# Altium PCB Coral Dev Board Micro.PcbDoc (part 5 of 6) (continued)
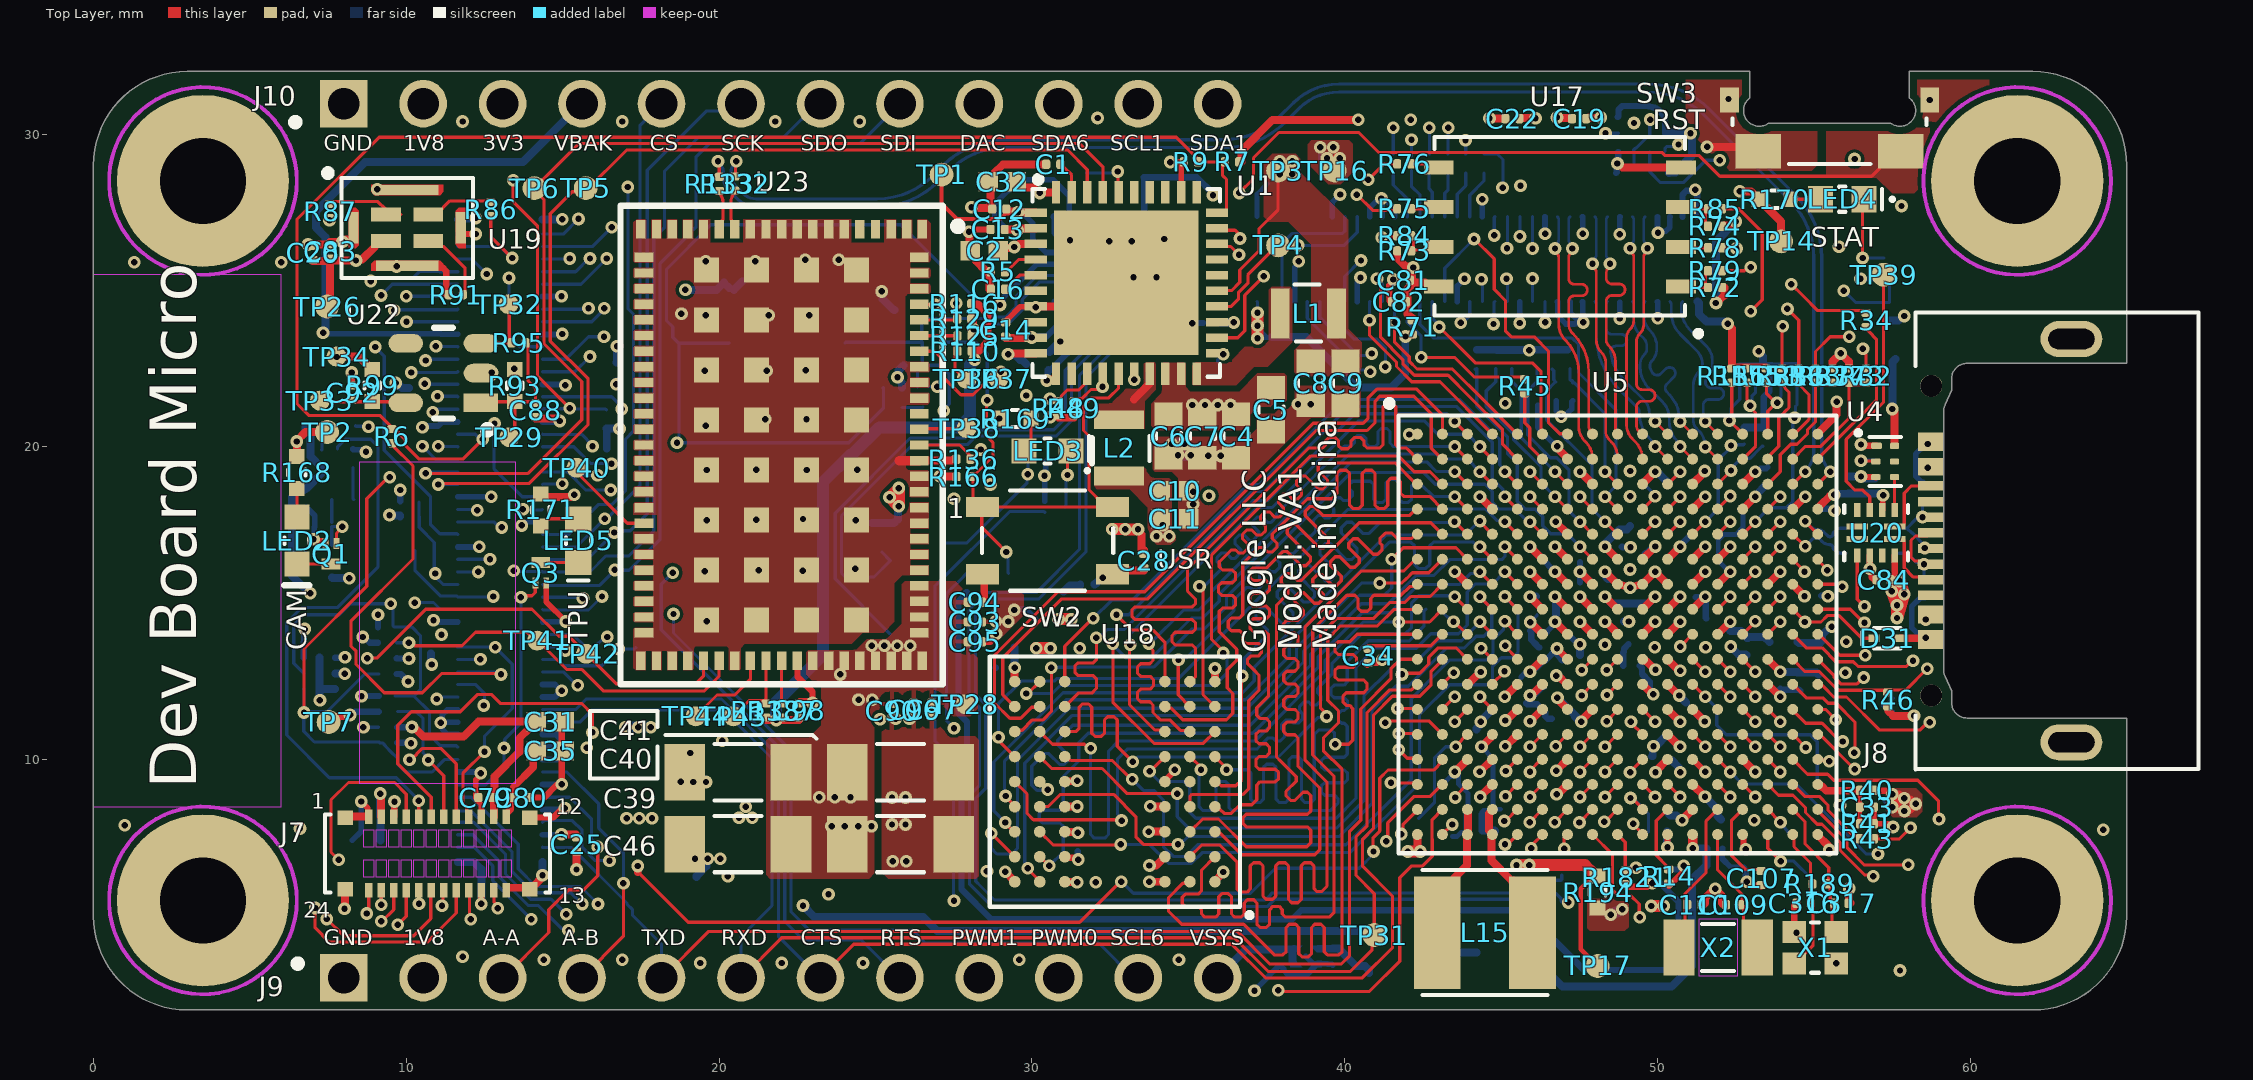
[diagram p0: Top Layer view]
## Nets (pads, with @x,y where several pads share a name; then routed paths per layer and width w, separated by ;. In a path a pad name is that pad's centre, name@x,y a point inside that pad or via, vN(x,y) a via of type N, cw(c..) or ccw(c..) an arc to the next point about the centre after c; other vN are vias at no path point) (continued)
SEMC_D15: U5.H1 U18.A2 | length 24.9
  Top Layer w0.102: U18.A2@35.052,6.097 35.004,6.048 34.827,6.048 34.366,5.588 34.366,5.156 34.785,4.737 36.767,4.737 37.744,3.759 37.821,3.759 38.024,3.759 38.125,3.861 38.125,4.635 38.227,4.737 38.43,4.737 38.532,4.635 38.532,3.797 38.633,3.696 38.837,3.696 38.938,3.797 38.938,4.635 39.04,4.737 39.243,4.737 39.345,4.635 39.345,3.861 39.446,3.759 39.814,3.759 39.903,3.848 39.916,3.861 39.916,9.69 39.319,10.287 39.319,10.693 39.802,11.176 39.802,11.557 39.459,11.9 39.459,13.868 39.865,14.275 41.048,14.275 41.569,14.795 42.309,14.795 U5.H1@42.322,14.808
SEMC_DM0: U5.F5 U18.E8 | length 21.3
  Top Layer w0.102: v1(45.122,16.808) U5.F5@45.522,16.408
  Bottom Layer w0.102: v1@30.514,9.021 30.159,9.021 29.997,9.182 29.997,9.793 30.073,9.868 30.396,10.192 30.54,10.192 30.887,9.845 31.031,9.845 31.175,9.988 31.175,10.132 30.827,10.479 30.827,10.623 31.159,10.954 31.304,11.1 36.986,11.1 38.913,13.027 38.913,13.37 40.529,14.986 41.391,14.986 42.292,15.887 42.849,15.887 43.358,16.396 45.021,16.396 45.123,16.497 v1@45.123,16.802 ; v1@45.12,16.806 v1(45.122,16.808)
  other v1: 30.505,9.042
SEMC_DM1: U5.J1 U18.F1 | length 21.8
  Top Layer w0.102: U18.F1@35.852,10.097 35.854,10.097 36.22,9.731 v1(36.22,9.677) ; v1(39.7,10.49) 40.132,10.49 40.259,10.617 40.259,11.582 40.259,11.633 40.157,11.735 40.049,11.735 39.947,11.836 39.947,12.04 40.049,12.141 40.609,12.141 40.71,12.243 40.71,12.446 40.609,12.548 39.789,12.548 39.688,12.649 39.688,12.852 39.789,12.954 40.275,12.954 40.377,13.056 40.377,13.259 40.275,13.36 39.789,13.36 39.688,13.462 39.688,13.665 39.789,13.767 40.03,13.767 40.157,13.767 40.399,14.008 U5.J1@42.322,14.008
  Bottom Layer w0.102: v1(36.22,9.677) 36.436,9.677 36.894,9.677 36.995,9.576 36.995,8.73 37.097,8.629 37.3,8.629 37.402,8.73 37.402,9.754 37.503,9.855 37.706,9.855 37.808,9.754 37.808,8.73 37.91,8.629 38.113,8.629 38.214,8.73 38.214,9.989 38.316,10.091 38.519,10.091 38.621,9.989 38.621,8.73 38.722,8.629 38.926,8.629 39.027,8.73 39.027,10.592 39.027,10.681 39.027,10.808 39.167,10.947 39.573,10.947 39.677,10.843 39.677,10.513 v1(39.7,10.49)
SEMC_DQS4: TP25.1 U5.N3 | length 3.5
  Top Layer w0.102: v1(43.548,10.414) 43.548,10.434 U5.N3@43.922,10.808
  Bottom Layer w0.102: TP25.1@42.367,8.128 42.875,8.636 42.875,10.058 43.231,10.414 v1(43.548,10.414)
SEMC_RAS: U5.J4 U18.F8 | length 20.7
  Top Layer w0.102: U18.F8@30.252,10.097 30.633,9.716 32.245,9.716 33.045,8.915 v1(34.646,8.915) ; v1(44.322,14.408) U5.J4@44.722,14.008
  Bottom Layer w0.102: v1(34.646,8.915) 34.646,8.179 35.014,7.81 39.738,7.81 40.615,8.687 40.615,12.04 41.453,12.878 41.453,12.883 41.676,13.106 41.681,13.106 41.796,13.221 42.38,13.221 42.958,13.798 43.732,13.798 44.322,14.388 v1(44.322,14.408)
SEMC_WE: U5.E5 U18.F9 | length 21.4
  Top Layer w0.102: v1(28.931,10.719) 28.931,10.618 U18.F9@29.452,10.097 ; v1(45.122,17.608) U5.E5@45.522,17.208
  Bottom Layer w0.102: v1(28.931,10.719) 28.931,11.786 29.654,12.509 30.717,12.509 30.806,12.598 34.696,12.598 40.094,17.996 42.281,17.996 42.293,18.009 44.501,18.009 44.862,17.648 45.082,17.648 v1(45.122,17.608)
SPI6_SCK__JTAG_nTRST: J5.48 J10.6 TP18.1 U5.R5 | length 52.2
  Top Layer w0.102: v1(45.14,8.826) U5.R5@45.522,9.208
  L3 w0.102: v1(16.65,17.259) 16.708,17.201 24.041,17.201 25.062,16.18 28.143,16.18 28.55,15.773 31.064,15.773 31.394,15.443 33.02,15.443 33.909,14.554 36.647,14.554 38.278,12.924 38.278,11.983 39.04,11.221 39.263,10.998 40.251,10.998 42.816,8.433 44.683,8.433 45.077,8.826 v1(45.14,8.826)
  Bottom Layer w0.102: J5.48@14.355,16.4 15.79,16.4 16.708,17.318 17.165,17.318 17.704,17.856 17.704,28.842 19.603,30.741 20.441,30.741 J10.6@20.7,31
SPI6_SDI__JTAG_TDI: J5.44 J10.8 TP20.1 U5.U5 | length 59.4
  Top Layer w0.102: v1(45.123,7.29) 45.212,7.29 45.522,7.6 U5.U5@45.522,7.608
  L6 w0.102: v1(16.662,16.066) 17.31,15.418 28.756,15.418 29.568,16.231 32.346,16.231 32.613,15.964 36.233,15.964 40.284,11.913 40.284,9.068 41.148,8.204 42.065,8.204 43.17,7.099 44.911,7.099 45.102,7.29 v1(45.123,7.29)
  Bottom Layer w0.102: J5.44@14.355,15.6 14.385,15.57 16.18,15.57 16.662,16.053 v1(16.662,16.066) 16.675,16.053 17.12,16.053 18.114,17.047 18.114,25.864 18.961,26.711 18.961,26.721 ; 19,26.75 19,26.772 19.266,27.038 19.266,29.273 19.685,29.693 24.503,29.693 J10.8@25.78,30.97
SPI6_SDO__JTAG_TDO: J5.46 J10.7 TP19.1 U5.T5 | length 59.8
  Top Layer w0.102: v1(45.098,8.039) 45.153,8.039 U5.T5@45.522,8.408
  L3 w0.102: v1(13.434,16.038) 14.072,16.675 20.053,16.675 21.057,15.672 27.737,15.672 28.067,15.342 30.912,15.342 31.242,15.011 32.877,15.011 33.741,14.148 36.271,14.148 37.694,12.725 37.694,11.671 40.944,8.42 41.974,8.42 43.053,7.341 44.361,7.341 45.06,8.039 v1(45.098,8.039)
  Bottom Layer w0.102: v1(13.434,16.038) 13.453,16.019 14.336,16.019 J5.46@14.355,16 15.873,16 16.383,16.51 17.112,16.51 17.911,17.309 17.911,26.661 18.25,27 18.25,28.25 18.25,28.804 19.342,29.896 22.06,29.896 J10.7@23.165,31.001
TPU_BOOT_FAIL: U5.K5 U23.85 | length 36.2
  Top Layer w0.102: U23.85@26.4,24.558 26.411,24.547 26.9,24.547 v1(26.911,24.536) ; v1(45.136,13.64) 45.136,13.617 45.522,13.231 U5.K5@45.522,13.208
  L6 w0.102: v1(26.911,24.536) 28.258,25.883 33.967,25.883 35.357,27.272 35.357,28.113 35.718,28.473 36.774,28.473 38.4,26.848 40.526,26.848 41.322,26.051 41.355,26.051 41.91,25.496 41.91,25.07 41.631,24.79 40.538,24.79 40.31,24.562 40.31,24.003 40.772,23.541 41.128,23.541 42.418,22.25 42.418,17.828 42.113,17.523 42.113,14.808 42.926,13.995 44.78,13.995 v1(45.136,13.64)
TPU_INTR: TP38.1 U23.77 | length 1.5
  Top Layer w0.102: U23.77@26.4,20.558 26.42,20.579 27.894,20.579 TP38.1@27.915,20.599
TPU_POW_EN: R39.2 U5.L2 U21.3 | length 21.4
  Top Layer w0.102: U5.L2@43.122,12.408 43.122,12.411 43.485,12.773 v1(43.485,12.776)
  L3 w0.102: v1(29.87,19.126) 30.404,19.66 33.652,19.66 33.957,19.355 35.966,19.355 41.3,14.021 42.24,14.021 v1(43.485,12.776)
  Bottom Layer w0.102: U21.3@27.199,16.928 27.926,16.928 29.848,18.849 29.848,19.103 v1(29.87,19.126) 29.875,19.131 29.875,19.553 R39.2@29.88,19.558
TPU_RST_L: R136.2 U5.M4 U23.76 | length 22.4
  Top Layer w0.102: U23.76@26.4,20.058 27.688,20.058 R136.2@28.113,19.634 ; R136.2@28.113,19.609 R136.2@28.113,19.634 ; v1(28.362,19.914) 28.362,19.883 R136.2@28.113,19.634 ; v1(44.323,12.014) 44.323,12.011 44.722,11.612 U5.M4@44.722,11.608
  L3 w0.102: v1(28.362,19.914) 29.556,18.72 31.592,18.72 31.999,19.126 35.814,19.126 41.123,13.818 41.941,13.818 43.338,12.421 43.917,12.421 v1(44.323,12.014)
USB2_TPU_N: R133.1 U5.C16 | length 47.5
  Top Layer w0.102: v1(19.965,29.134) 20.007,29.092 R133.1@20.007,28.708 ; U5.C16@54.322,18.808 v1(54.722,19.208)
  Bottom Layer w0.102: v1(19.965,29.134) ccw(c20.079,29.134) 19.998,29.054 20.048,29.004 cw(c19.849,28.805) 20.131,28.805 20.131,28.651 ccw(c20.785,28.651) 20.322,28.188 20.599,27.911 ccw(c21.174,28.486) 21.174,27.673 25.044,27.673 ccw(c25.044,30.465) 25.878,27.801 ccw(c25.044,30.465) 27.018,28.491 27.348,28.822 cw(c29.145,27.026) 29.145,29.566 36.131,29.566 ccw(c36.131,32.357) 38.105,30.383 38.532,30.81 cw(c39.82,29.522) 39.82,31.344 49.697,31.344 cw(c49.697,28.804) 51.493,30.6 54.251,27.842 cw(c52.455,26.046) 54.995,26.046 54.995,19.867 cw(c54.063,19.867) v1(54.722,19.208)
USB2_TPU_P: R132.1 U5.C17 | length 47.5
  Top Layer w0.102: R132.1@20.498,28.715 20.524,28.741 20.524,29.108 v1(20.55,29.134) ; U5.C17@55.122,18.808 v1(55.522,19.208)
  Bottom Layer w0.102: v1(20.55,29.134) cw(c20.437,29.134) 20.517,29.054 20.467,29.004 ccw(c20.666,28.805) 20.385,28.805 20.385,28.703 ccw(c20.912,28.703) 20.539,28.331 20.777,28.092 ccw(c21.176,28.491) 21.176,27.927 25.043,27.927 ccw(c25.043,30.467) 25.836,28.054 ccw(c25.043,30.467) 26.839,28.671 27.169,29.002 cw(c29.144,27.028) 29.144,29.82 36.13,29.82 ccw(c36.13,32.36) 37.926,30.564 38.354,30.992 cw(c39.816,29.53) 39.816,31.598 49.698,31.598 cw(c49.698,28.806) 51.672,30.78 54.434,28.018 cw(c52.466,26.05) 55.249,26.05 55.249,19.867 ccw(c56.181,19.867) v1(55.522,19.208)
USB_CC1: J8.4 U20.1 | length 2.2
  Top Layer w0.102: U20.1@57.585,17.05 57.835,17.05 57.884,17.001 57.884,16.944 57.887,16.941 57.887,16.129 58.18,15.835 58.635,15.835 J8.4@58.72,15.75
USB_CC2: J8.10 U20.2 | length 2.3
  Top Layer w0.102: U20.2@57.585,17.45 57.835,17.45 57.884,17.499 57.884,17.556 57.887,17.559 57.887,18.517 58.12,18.75 J8.10@58.72,18.75
USB_DN_CON: ESD2.2 J8.5 J8.7 L7.1 | length 3.2
  Top Layer w0.102: v1(58.52,16.25) 58.421,16.349 58.225,16.349 58.105,16.469 58.105,17.008 58.248,17.151 58.621,17.151 J8.7@58.72,17.25
  Bottom Layer w0.102: L7.1@57.72,16.6 57.974,16.6 58.266,16.308 58.462,16.308 v1(58.52,16.25) 58.52,15.797 ESD2.2@58.496,15.773
USB_DP_CON: ESD1.2 J8.6 J8.8 L7.4 | length 2.8
  Top Layer w0.102: v1(58.471,17.755) 58.715,17.755 J8.8@58.72,17.75 ; v1(58.547,16.764) 58.706,16.764 J8.6@58.72,16.75
  Bottom Layer w0.102: L7.4@57.72,17.4 57.911,17.4 57.987,17.4 57.987,17.387 58.126,17.248 58.14,17.248 58.547,16.84 v1(58.547,16.764) ; L7.4@57.974,17.4 58.27,17.696 58.412,17.696 v1(58.471,17.755) 58.471,18.288 ESD1.2@58.496,18.313
USB_OTG1_ID: R43.2 U20.9 | length 11.2
  Top Layer w0.102: U20.9@56.385,16.525 56.385,15.13 v1(56.617,14.899) ; R43.2@56.993,7.468 57.734,7.468 v1(58.09,7.823) ; R43.2@57.018,7.478 R43.2@57.018,7.569
  L6 w0.102: v1(56.617,14.899) 56.628,14.899 57.506,14.021 57.506,10.439 58.615,9.33 58.615,8.323 58.115,7.823 v1(58.09,7.823)
USB_OTG1_ID_RT: R43.1 U5.R16 | length 2.9
  Top Layer w0.102: U5.R16@54.322,9.208 54.706,8.824 55.169,8.824 55.449,8.544 55.449,8.381 56.263,7.567 56.345,7.567 R43.1@56.393,7.518
USB_PORT: U4.4 U20.3 | length 1.1
  Top Layer w0.102: U4.4@57.577,19.033 57.581,19.029 57.581,17.979 U20.3@57.585,17.975
USB_PORT_RT: R17.2 U4.2 U5.R15 | length 20.2
  Top Layer w0.102: U5.R15@53.522,9.208 53.869,8.861 54.332,8.861 54.732,8.461 54.732,8.311 55.107,7.935 55.258,7.935 55.85,7.343 55.85,7.092 56.632,6.309 56.86,6.309 v1(56.896,6.274) ; v1@56.464,19.558 56.477,19.545 56.964,19.545 U4.2@56.977,19.533
  L6 w0.102: v1@56.464,19.558 56.134,19.228 56.134,18.87 56.236,18.768 56.236,15.85 56.337,15.748 56.337,15.41 56.058,15.13 56.058,14.422 57.15,13.33 57.15,7.498 57.404,7.244 57.404,6.81 56.896,6.302 v1(56.896,6.274)
  Bottom Layer w0.102: v1@56.477,19.545 56.464,19.558 56.477,19.571 56.934,19.571 R17.2@56.947,19.583
  other v1: 56.504,19.558
USDHC2_CLK: J5.79 U5.F14 | length 59.3
  Top Layer w0.102: U5.F14@52.722,16.408 v1(53.122,16.808)
  L3 w0.102: v1(10.617,22.758) 11.201,22.758 11.379,22.936 11.379,27.102 11.976,27.699 12.535,27.699 12.751,27.483 14.402,27.483 14.63,27.711 15.85,27.711 16.119,27.442 17.442,27.442 17.584,27.584 24.917,27.584 25.4,28.067 29.636,28.067 30.221,27.483 35.941,27.483 36.185,27.727 38.668,27.727 39.538,26.858 39.538,23.124 40.691,21.971 42.566,21.971 42.901,22.307 44.143,22.307 44.331,22.118 49.95,22.118 51.122,20.947 51.122,16.669 51.364,16.427 52.741,16.427 v1(53.122,16.808)
  Bottom Layer w0.102: v1(10.617,22.758) 10.659,22.8 J5.79@11.645,22.8
USDHC2_CMD: J5.81 R23.1 U5.E14 | length 64.6
  Top Layer w0.102: U5.E14@52.722,17.208 v1(53.122,17.608)
  L3 w0.102: v1(10.947,23.216) 10.998,23.266 10.998,27.508 11.684,28.194 12.951,28.194 13.185,27.96 13.94,27.96 14.3,28.321 16.154,28.321 16.728,27.747 17.316,27.747 17.458,27.889 24.791,27.889 25.383,28.481 30.858,28.481 31.45,27.889 34.976,27.889 35.56,28.473 36.85,28.473 37.231,28.092 39.04,28.092 39.421,28.473 40.117,28.473 40.564,28.92 40.922,28.92 41.215,28.627 41.529,28.313 41.529,27.711 41.25,27.432 40.97,27.432 40.629,27.09 40.629,26.458 40.975,26.111 42.57,26.111 42.977,25.705 42.977,25.148 43.553,24.572 50.292,24.572 50.846,25.126 52.065,25.126 52.299,24.892 52.299,24.485 52.101,24.287 51.892,24.079 51.892,23.51 52.949,22.454 53.365,22.454 54.407,21.412 54.407,20.955 v1(54.381,20.93)
  Bottom Layer w0.102: v1(10.947,23.216) 10.955,23.208 11.637,23.208 J5.81@11.645,23.2 ; v1(53.122,17.608) 53.566,18.052 54.12,18.052 54.322,18.254 54.322,20.718 54.323,20.719 54.323,20.871 54.407,20.955 54.407,21.285 54.458,21.336 R23.1@54.458,21.981
USDHC2_DATA0: J5.77 R24.1 U5.E15 | length 66.1
  Top Layer w0.102: U5.E15@53.522,17.208 v1(53.922,17.608)
  L3 w0.102: v1(10.16,22.377) 10.122,22.415 10.122,23.203 10.795,23.876 10.795,27.686 11.608,28.499 12.934,28.499 13.269,28.164 13.855,28.164 13.987,28.296 14.216,28.524 16.315,28.524 16.543,28.296 16.889,27.95 17.231,27.95 17.424,28.143 24.758,28.143 25.299,28.684 30.942,28.684 31.509,28.118 34.917,28.118 35.476,28.677 36.934,28.677 37.315,28.296 38.913,28.296 39.345,28.727 40.03,28.727 40.462,29.159 40.97,29.159 41.732,28.397 41.732,27.531 41.405,27.203 41.097,27.203 40.832,26.938 40.832,26.542 41.04,26.333 42.729,26.333 43.18,25.883 43.18,25.232 43.637,24.775 50.074,24.775 50.688,25.39 52.088,25.39 52.603,24.875 52.603,23.184 53.091,22.697 53.529,22.697 54.737,21.488 54.737,20.782 53.492,19.538 53.492,18.038 v1(53.922,17.608)
  Bottom Layer w0.102: v1(10.16,22.377) 10.135,22.403 10.084,22.403 10.109,22.377 11.622,22.377 J5.77@11.645,22.4
USDHC2_DATA1: J5.73 U5.H13 | length 58.5
  Top Layer w0.102: U5.H13@51.922,14.808 v1(52.322,15.208)
  L3 w0.102: v1(10.998,21.615) 11.938,22.555 11.938,25.705 12.878,26.645 14.021,26.645 14.209,26.457 17.414,26.457 17.983,27.026 26.878,27.026 27.539,26.365 28.626,26.365 29.159,25.832 31.902,25.832 32.157,26.086 35.287,26.086 36.421,27.219 38.409,27.219 39.023,26.606 39.023,22.921 40.557,21.387 42.7,21.387 43.112,21.799 43.932,21.799 44.4,21.331 44.689,21.331 44.983,21.036 45.542,21.036 46.03,21.524 47.818,21.524 49.541,19.801 49.541,16.695 49.824,16.411 50.035,16.411 50.343,16.104 50.343,15.084 50.619,14.808 51.922,14.808 ; 51.922,14.808 v1(52.322,15.208)
  Bottom Layer w0.102: v1(10.998,21.615) 11.63,21.615 J5.73@11.645,21.6
USDHC2_DATA2: J5.75 U5.J14 | length 60.1
  Top Layer w0.102: U5.J14@52.722,14.008 53.124,14.41 v1(53.124,14.427)
  L3 w0.102: v1(10.592,22.022) 11.024,22.022 11.735,22.733 11.735,25.789 12.819,26.873 14.249,26.873 14.463,26.66 17.09,26.66 17.685,27.254 28.113,27.254 28.677,26.69 28.677,26.65 29.291,26.035 31.217,26.035 32.207,27.026 35.94,27.026 36.337,27.422 38.506,27.422 39.233,26.695 39.233,22.998 40.641,21.59 42.616,21.59 43.028,22.002 44.016,22.002 44.205,21.814 49.51,21.814 50.317,21.006 50.317,16.637 51.39,15.564 52.469,15.564 52.705,15.328 52.705,14.846 v1(53.124,14.427)
  Bottom Layer w0.102: v1(10.592,22.022) 10.614,22 J5.75@11.645,22
USDHC2_DATA3: J5.71 U5.J15 | length 61
  Top Layer w0.102: U5.J15@53.522,14.008 v1(53.922,14.408)
  L3 w0.102: v1(10.846,21.107) 10.871,21.133 11.138,21.133 12.141,22.136 12.141,25.613 12.97,26.441 13.564,26.441 14.338,25.667 17.158,25.667 18.313,26.822 26.794,26.822 27.455,26.162 28.542,26.162 29.075,25.629 32.029,25.629 32.284,25.883 35.372,25.883 36.505,27.016 36.941,27.016 38.623,25.334 38.623,23.016 40.456,21.184 42.784,21.184 43.196,21.595 43.848,21.595 44.316,21.128 44.605,21.128 44.955,20.777 45.745,20.777 46.289,21.321 47.15,21.321 47.645,20.826 48.717,19.754 48.717,16.662 48.946,16.434 49.271,16.434 49.479,16.225 49.479,15.088 49.733,14.834 50.19,14.834 50.366,14.658 50.366,14.261 50.575,14.052 53.566,14.052 v1(53.922,14.408)
  Bottom Layer w0.102: v1(10.846,21.107) 10.938,21.2 J5.71@11.645,21.2
USER_BUTTON: D1.A J5.31 R167.1 U5.R10 | length 51.4
  Top Layer w0.102: U5.R10@49.522,9.208 v1(49.922,8.808)
  L3 w0.102: v1(12.37,13.208) 12.383,13.221 13.221,13.221 14.592,11.849 20.561,11.849 21.59,10.82 27.325,10.82 v1(27.508,11.004) 27.508,10.541 28.346,9.703 31.902,9.703 32.614,8.992 33.833,8.992 34.341,8.484 36.373,8.484 39.878,4.978 44.133,4.978 44.438,4.674 47.458,4.674 47.93,5.145 47.93,5.766 49.581,7.417 49.581,8.467 v1(49.922,8.808)
  Bottom Layer w0.102: J5.31@11.645,13.2 12.362,13.2 v1(12.37,13.208) ; v1(27.508,11.004) 27.508,11.024 27.267,11.265 27.267,15.303 27.828,15.865 27.828,15.877 27.902,15.951 D1.A@28.479,15.951
USER_LED: J5.25 Q2.1 U5.M10 | length 67.6
  Top Layer w0.102: U5.M10@49.522,11.608 v1(49.922,11.208)
  L3 w0.102: v1(10.973,11.938) 11.862,11.049 12.949,11.049 13.665,10.333 13.665,9.872 14.673,8.865 14.813,8.865 14.818,8.86 15.113,8.86 15.118,8.865 21.488,8.865 23.99,6.363 24.778,6.363 25.73,5.41 27.296,5.41 27.314,5.428 27.45,5.428 v1(27.508,5.486) 37.287,5.486 38.608,4.166 43.796,4.166 44.101,3.861 49.835,3.861 51.486,5.512 51.486,8.182 51.13,8.537 51.13,10.566 50.904,10.793 50.337,10.793 v1(49.922,11.208)
  Bottom Layer w0.102: v1(10.973,11.938) 11.055,11.938 11.116,11.999 11.644,11.999 J5.25@11.645,12 ; v1(27.508,5.486) 27.495,5.499 27.495,10.008 26.899,10.604 26.899,15.545 29.286,17.932 30.386,17.932 Q2.1@30.409,17.91
VDD_1V8: C23.1 C24.1 C25.1 C235.1 C239.1 C241.1 C254.1 C256.1 C258.1 C265.1 C285.1 C327.1 C345.1 FB3.1 FB4.1 FB6.1 J6.28 J6.30 J6.32 J6.34 J6.36 J6.45 J9.2 J10.2 R3.2 R21.2 R29.2 R30.2 R37.2 R46.2 R47.2 R48.2 R49.2 R50.2 R51.2 R53.2 R71.2 R172.2 R375.1 U4.1 U5.D12 U5.E7 U5.F6 U5.F7 U5.G6 U5.G13 U5.H6 U5.J6 U5.M12 U5.P7 U6.B2 U6.B3 U6.B4 U6.C4 U10.8 U13.8 U14.8 | length 59
  Top Layer w0.102: v1(41.946,23.525) 41.95,23.521 42.185,23.521 R71.2@42.189,23.517 ; U5.E7@47.122,17.208 U5.E7@47.122,17.218
  Top Layer w0.203: v1(56.504,20.077) 56.559,20.077 56.602,20.034 57,20.034 U4.1@57.002,20.033
  Top Layer w0.254: v1(15.443,6.487) C25.1@15.443,6.99 ; R48.2@30.848,20.934 R49.2@31.344,20.934 ; v1(45.922,15.208) U5.H6@46.322,14.808 ; v1(45.922,16.008) U5.G6@46.322,15.608 ; v1(45.922,16.808) U5.F6@46.322,16.408 ; v1(45.932,14.398) U5.J6@46.322,14.008 ; v1(46.722,16.808) U5.F7@47.122,16.408 ; v1@46.749,17.592 U5.E7@47.122,17.218 ; v1(46.761,9.642) 46.761,9.647 U5.P7@47.122,10.008 ; U5.M12@51.122,11.608 v1(51.511,11.219) ; U5.D12@51.122,18.008 v1(51.522,18.408) ; U5.G13@51.922,15.608 v1(52.322,16.008) ; v1@56.495,20.077 v1@56.531,20.041 ; R46.2@57.386,11.694 57.386,11.549 57.535,11.4 v1(58.2,11.4)
  Top Layer w0.381: v1(30.848,14.491) v1@31.255,14.491 ; v1(37.211,23.47) v1(37.211,24.282)
  L4 w0.381: v1(30.848,14.491) 30.853,14.486 31.26,14.486 v1@31.267,14.478 ; v1(37.211,23.47) v1(37.211,24.282)
  L3 w0.254: v1(16.815,20.574) 16.856,20.574 17.059,20.777 17.07,20.777 17.629,21.336 24.816,21.336 v1(25.705,22.225) 25.709,22.23 25.751,22.23 25.873,22.352 27.154,22.352 27.921,21.585 27.921,21.037 28.688,20.269 29.901,20.269 v1(30.582,20.949)
  L3 w0.381: v1@30.843,14.483 31.25,14.483 v1(31.255,14.478) ; v1(37.211,23.47) v1(37.211,24.282)
  L6 w0.381: v1(30.848,14.491) v1@31.267,14.491 ; v1(37.211,23.47) v1(37.211,24.282)
  L5 w0.254: v1@31.166,14.491 31.242,14.491 v1(31.255,14.478) ; 57.861,11.735 58.196,11.4 v1(58.2,11.4)
  L5 w0.381: v1@56.453,20.077 56.458,20.082 57.036,20.082 57.173,20.218
  Bottom Layer w0.102: v1@25.754,22.061 25.773,21.994 R30.2@25.848,21.895 ; R29.2@25.892,22.606 R29.2@25.895,22.603 ; J6.32@37.2,24.645 37.211,24.634 v1(37.211,24.282) ; v1(37.211,23.47) 37.629,23.47 R3.2@37.668,23.509 ; v1(37.211,23.876) 37.211,23.841 R3.2@37.543,23.509 ; J6.36@38,24.645 38,26.494 38.329,26.822 39.929,26.822 40,26.894 J6.45@40,27.355 ; v1@45.922,14.388 v1(45.932,14.398) 46.152,14.617 C345.1@46.152,14.63 ; v1(49.124,18.415) FB3.1@49.124,18.466
  Bottom Layer w0.152: v1(51.522,18.408) 51.552,18.408 51.606,18.354 C285.1@51.606,18.325 ; v1(52.322,16.008) 52.292,16.008 51.941,16.359 51.941,17.016 52.121,17.196 52.502,17.196 52.73,17.424 R375.1@52.73,17.882 ; R375.1@52.629,17.984 R375.1@52.698,17.984
  Bottom Layer w0.203: U10.8@9.698,12.737 9.818,12.737 v1(10.058,12.497) ; U13.8@9.716,10.536 9.717,10.535 10.141,10.535 v1(10.15,10.525) ; C265.1@45.933,14.122 45.96,14.095 45.96,13.835 46.13,13.665 46.13,13.658 46.203,13.584 C241.1@46.228,13.584 ; R21.2@48.726,30.543 48.754,30.572 48.754,30.778 48.873,30.897 49.606,30.897 cw(c49.606,30.124) 49.824,30.865 ccw(c49.88,31.061) 49.84,30.861 cw(c49.766,30.462) 50.027,30.773 cw(c49.766,30.462) 50.074,30.727 ccw(c50.226,30.861) 50.082,30.719 50.116,30.685 cw(c49.81,30.378) 50.243,30.378 U14.8@50.243,30.026 ; U14.8@50.244,30.074 50.948,30.074 50.999,30.023 v1(51.054,30.023) ; v1(51.537,13.589) FB4.1@51.537,13.614
  Bottom Layer w0.254: U6.B2@7.222,13.259 U6.B3@7.222,12.759 U6.B4@7.222,12.259 ; v1(7.239,11.9) 7.222,11.917 U6.B4@7.222,12.259 ; U6.C4@7.722,12.259 U6.B4@7.222,12.259 ; v1(9.461,17.818) 9.481,17.799 9.802,17.799 9.804,17.797 R37.2@9.804,17.78 ; R51.2@10.782,13.395 10.795,13.395 10.797,13.393 10.797,13.054 v1(10.811,13.04) ; R47.2@16.408,19.952 16.408,20.582 16.406,20.584 16.396,20.584 16.398,20.586 16.803,20.586 v1(16.815,20.574) ; v1(16.713,21.996) 16.726,22.009 C24.1@16.726,22.09 ; v1@16.844,20.608 v1@16.853,20.599 ; v1(25.705,22.225) 25.705,22.188 25.848,22.045 R30.2@25.848,21.895 ; v1@25.734,22.254 25.734,22.442 R29.2@25.895,22.603 ; FB6.1@30.843,14.492 30.841,14.491 v1(30.848,14.491) ; 31.013,15.367 31.219,15.573 31.543,15.573 31.546,15.576 C23.1@31.546,15.596 ; v1(31.255,14.478) v1@31.284,14.507 ; R3.2@37.668,23.509 38.772,23.509 40.386,21.895 41.488,21.895 41.935,22.342 41.935,23.515 v1(41.946,23.525) ; v1@45.922,15.215 C235.1@46.111,15.215 ; R53.2@50.363,28.753 50.363,28.774 50.365,28.776 50.569,28.776 51.105,29.312 51.105,29.846 51.083,29.868 51.083,29.994 v1(51.054,30.023) ; C258.1@51.296,11.442 51.296,11.438 51.511,11.223 v1(51.511,11.219) ; R172.2@57.429,24.033 57.698,24.033 57.845,24.181 v1(57.887,24.181)
  other v1: 46.749,17.602
VDD_1V8_AON: C12.1 C17.1 J6.3 R166.2 TP1.1 U1.1 U1.23 | length 29.6
  Top Layer w0.127: TP1.1@27.114,28.702 27.114,27.775 27.61,27.28 28.485,27.28 28.488,27.277 28.884,27.277 28.887,27.28 28.985,27.28 29.226,27.521 C12.1@29.226,27.551
  Top Layer w0.254: v1(27.056,19.063) 27.062,19.056 27.511,19.056 27.513,19.054 R166.2@27.513,19.05 ; C12.1@29.226,27.551 29.226,27.53 29.229,27.527 29.532,27.527 29.563,27.497 30.113,27.497 U1.1@30.12,27.49
  L6 w0.254: v1(27.056,19.063) 27.085,19.092 27.085,19.287 28.27,20.472 31.491,20.472 32.725,21.707 32.725,22.438 33.757,23.47 35.941,23.47 v1(36.449,23.978)
  L5 w0.254: v1(29.556,27.504) 29.571,27.504 30.066,27.009 ; 30.066,27.008 32.664,24.409 33.706,24.409 34.671,23.444 35.916,23.444 v1(36.449,23.978)
  Bottom Layer w0.102: C17.1@36.02,23.965 C17.1@36.033,23.978
  Bottom Layer w0.178: 29.754,27.394 29.779,27.394 30.023,27.151 30.023,26.647 30.457,26.213 31.38,26.213 31.61,26.443 31.61,26.77 31.606,26.774 31.606,27.349 J6.3@31.6,27.355
  Bottom Layer w0.254: C17.1@36.033,23.978 v1(36.449,23.978)
VDD_1V8_CAM: C14.1 C31.1 C37.1 C79.1 J6.2 J7.11 R13.2 TP7.1 U1.9 U3.6 U13.3 U13.7 | length 53
  Top Layer w0.254: TP7.1@7.518,11.201 7.656,11.201 7.851,11.397 7.893,11.397 7.897,11.401 8.175,11.401 v1(8.204,11.43) ; v1(10.18,11.043) 10.221,11.043 10.308,10.957 10.329,10.957 10.542,10.744 11.836,10.744 12.306,11.214 C31.1@14.153,11.214 13.97,11.031 13.963,11.031 13.615,10.683 13.615,10.251 12.827,9.463 12.827,8.788 12.807,8.769 12.807,8.182 J7.11@12.8,8.175 ; C14.1@29.159,23.479 29.162,23.482 30.112,23.482 U1.9@30.12,23.49 30.003,23.49 v1(29.997,23.495)
  L3 w0.203: v1(8.204,11.43) 8.221,11.447 9.777,11.447 v1(10.18,11.043)
  L6 w0.254: v1(8.204,11.43) 8.175,11.459 8.175,11.612 7.595,12.192 7.595,14.656 v1(6.934,15.316) 8.23,16.612 9.55,16.612 13.97,21.031 13.97,21.641 14.783,22.454 17.094,22.454 17.602,21.946 23.597,21.946 24.905,23.254 28.537,23.254 28.798,23.514 29.978,23.514 v1(29.997,23.495)
  Bottom Layer w0.203: v1@8.361,11.532 8.977,11.532 8.98,11.535 9.114,11.535 U13.3@9.116,11.536 ; U13.7@9.716,11.036 9.717,11.038 10.174,11.038 v1(10.18,11.043) ; v1(29.997,23.495) 30.036,23.534 30.475,23.534 31.161,24.219 31.161,24.315 31.2,24.354 J6.2@31.2,24.645
  Bottom Layer w0.254: C37.1@6.782,18.669 6.734,18.621 6.581,18.621 6.353,18.393 6.353,15.872 6.909,15.316 v1(6.934,15.316) ; R13.2@6.782,20.667 6.785,20.664 6.785,20.52 6.934,20.371 6.934,19.698 U3.6@7.298,19.334 7.298,19.16 C37.1@6.807,18.669
VDD_1V8_MIC: C15.1 C20.1 C83.1 J6.4 TP26.1 U1.11 U19.4 | length 37.7
  Top Layer w0.254: C20.1@7.017,25.933 7.02,25.936 7.553,25.936 C83.1@7.563,25.946 ; TP26.1@7.468,24.486 7.563,24.581 C83.1@7.563,25.946 ; U19.4@9.355,26.575 9.105,26.575 9.007,26.477 9.007,26.407 8.588,25.988 8.437,25.988 8.395,25.946 8.388,25.952 7.569,25.952 C83.1@7.563,25.946 ; v1(30.477,22.122) 30.506,22.151 30.762,22.151 30.77,22.159 U1.11@30.77,22.34
  L3 w0.254: v1(8.395,25.959) 8.395,24.7 9.436,23.659 9.436,22.423 9.22,22.207 9.22,20.7 10.337,19.583 14.3,19.583 15.977,21.26 15.977,21.92 16.535,22.479 17.348,22.479 17.831,21.996 23.989,21.996 24.903,22.911 27.385,22.911 28.325,21.971 29.412,21.971 29.563,22.122 v1(30.477,22.122)
  Bottom Layer w0.203: v1(30.477,22.122) 30.504,22.149 30.504,22.461 C15.1@30.531,22.488 ; C15.1@30.599,22.46 31.6,23.461 J6.4@31.6,24.645
VDD_1V8_SENSE: C10.1 C11.1 J6.47 L2.2 R3.1 TP4.1 U1.24 | length 22.9
  Top Layer w0.102: U1.24@35.92,24.49 36.377,24.49 36.601,24.714 36.601,24.925 36.906,25.23 36.906,25.497 37.8,26.391 TP4.1@37.871,26.391 ; TP4.1@37.887,26.406 37.922,26.441 v1(38.506,26.441)
  L3 w0.381: v1(33.985,17.145) v1(34.392,17.145) 34.292,17.32 v1(34.188,17.501) 34.085,17.32 v1(33.985,17.145)
  L6 w0.254: v1(34.392,17.145) 36.347,17.145 39.365,20.163 39.365,25.761 38.713,26.412 38.536,26.412 v1(38.506,26.441)
  L6 w0.381: v1(33.985,17.145) 34.085,17.145 34.292,17.145 v1(34.392,17.145) 34.292,17.32 v1(34.188,17.501) 34.136,17.409 34.085,17.32 v1(33.985,17.145)
  L5 w0.381: v1(33.985,17.145) v1(34.392,17.145) 34.292,17.32 v1(34.188,17.501) 34.085,17.32 v1(33.985,17.145)
  Bottom Layer w0.102: v1(38.506,26.441) 39.983,26.441 40.4,26.858 J6.47@40.4,27.355
VDD_2V8_CAM: C13.1 C27.1 C29.1 J6.1 J7.2 R168.2 TP2.1 U1.2 | length 48.3
  Top Layer w0.102: U1.2@30.115,26.995 U1.2@30.12,26.99
  Top Layer w0.254: R168.2@6.502,19.694 6.501,19.696 6.501,20.168 v1(6.499,20.17) 6.499,20.193 6.778,20.472 TP2.1@7.468,20.472 ; v1(9.169,8.915) 9.192,8.892 9.192,8.48 ; 9.193,8.479 9.193,8.182 J7.2@9.2,8.175 ; 29.291,26.953 29.511,26.953 v1(29.54,26.924) ; v1@29.54,26.975 29.548,26.982 30.102,26.982 U1.2@30.115,26.995
  L3 w0.254: v1(6.499,20.17) 6.254,19.924 6.254,11.373 7.427,10.199 7.885,10.199 v1(9.169,8.915)
  L6 w0.254: v1(6.499,20.17) 6.516,20.186 6.801,20.186 8.56,21.946 ; 8.561,21.946 11.406,24.79 13.615,24.79 14.085,25.26 17.793,25.26 18.974,26.441 28.448,26.441 28.931,26.924 v1(29.54,26.924)
  Bottom Layer w0.102: C27.1@9.165,8.204 C27.1@9.169,8.199
  Bottom Layer w0.178: v1(29.54,26.924) 29.496,26.968 29.194,26.968 28.816,27.345 28.816,27.773 29.58,28.537 30.682,28.537 31.194,28.025 31.194,27.361 J6.1@31.2,27.355
  Bottom Layer w0.254: C27.1@9.165,8.204 9.167,8.207 9.167,8.913 v1(9.169,8.915) ; C29.1@9.169,7.417 C27.1@9.169,8.199

## Text inside footprints (layer, text, board x,y; h text height)
U5: Mechanical 1 "U" at 40.791,7.256 h0.4; Mechanical 1 "J" at 40.76,13.676 h0.4; Mechanical 1 "K" at 41.145,12.893 h0.4; Mechanical 1 "B" at 41.147,19.311 h0.4; Mechanical 1 "R" at 40.792,8.885 h0.4; Mechanical 1 "L" at 40.777,12.145 h0.4; Mechanical 1 "G" at 40.778,15.291 h0.4; Mechanical 1 "M" at 41.154,11.317 h0.4; Mechanical 1 "T" at 41.149,8.076 h0.4; Mechanical 1 "10" at 49.115,21.233 h0.4; Mechanical 1 "F" at 41.16,16.063 h0.4; Mechanical 1 "15" at 53.121,21.538 h0.4; Mechanical 1 "16" at 53.961,21.244 h0.4; Mechanical 1 "P" at 41.155,9.683 h0.4; Mechanical 1 "D" at 41.154,17.679 h0.4; Mechanical 1 "C" at 40.764,18.468 h0.4; Mechanical 1 "H" at 41.144,14.482 h0.4; Mechanical 1 "17" at 54.809,21.53 h0.4; Mechanical 1 "E" at 40.772,16.869 h0.4; Mechanical 1 "N" at 40.777,10.481 h0.4; Mechanical 1 "1" at 42.204,21.585 h0.4; Mechanical 1 "2" at 42.993,21.329 h0.4; Mechanical 1 "4" at 44.566,21.338 h0.4; Mechanical 1 "6" at 46.161,21.319 h0.4; Mechanical 1 "8" at 47.805,21.335 h0.4; Mechanical 1 "12" at 50.844,21.336 h0.4; Mechanical 1 "3" at 43.77,21.588 h0.4; Mechanical 1 "5" at 45.364,21.589 h0.4; Mechanical 1 "7" at 47.005,21.632 h0.4; Mechanical 1 "9" at 48.565,21.633 h0.4; Mechanical 1 "11" at 50.121,21.636 h0.4; Mechanical 1 "13" at 51.647,21.625 h0.4; Mechanical 1 "14" at 52.465,21.343 h0.4; Mechanical 1 "A" at 40.866,20.239 h0.4
U6: Mechanical 1 "C" at 7.942,14.614 h0.3 r90; Mechanical 1 "B" at 7.464,14.642 h0.3 r90; Mechanical 1 "3" at 5.921,12.853 h0.3 r90; Mechanical 1 "4" at 5.929,12.386 h0.3 r90; Mechanical 1 "2" at 5.921,13.39 h0.3 r90; Mechanical 1 "1" at 5.952,13.816 h0.3 r90; Mechanical 1 "A" at 6.936,14.621 h0.3 r90
U17: Mechanical 1 "1" at 51.78,25.358 h0.64 r180; Mechanical 1 "8" at 42.137,25.323 h0.64 r180; Mechanical 1 "4" at 51.925,29.218 h0.64 r180; Mechanical 1 "5" at 42.18,29.144 h0.64 r180
U18: Mechanical 1 "1" at 36.036,4.926 h0.64 r180; Mechanical 1 "2" at 35.264,4.936 h0.64 r180; Mechanical 1 "3" at 34.442,4.926 h0.64 r180; Mechanical 1 "7" at 31.284,4.956 h0.64 r180; Mechanical 1 "8" at 30.462,4.946 h0.64 r180; Mechanical 1 "9" at 29.65,4.926 h0.64 r180; Mechanical 1 "A" at 37.457,6.296 h0.64 r180; Mechanical 1 "B" at 37.407,7.148 h0.64 r180; Mechanical 1 "C" at 37.457,7.96 h0.64 r180; Mechanical 1 "D" at 37.437,8.762 h0.64 r180; Mechanical 1 "E" at 37.387,9.604 h0.64 r180; Mechanical 1 "F" at 37.357,10.366 h0.64 r180; Mechanical 1 "G" at 37.467,11.158 h0.64 r180; Mechanical 1 "H" at 37.407,11.97 h0.64 r180; Mechanical 1 "J" at 37.297,12.792 h0.64 r180
U19: Mechanical 1 "5" at 7.135,27.101 h0.8 r270; Mechanical 1 "8" at 9.749,25.154 h0.8 r270; Mechanical 1 "6" at 9.74,29.167 h0.8 r270; Mechanical 1 "7" at 12.387,27.183 h0.8 r270
U20: Mechanical 1 "1" at 58.509,17.25 h1 r180; Mechanical 1 "3" at 57.785,19.028 h1 r180; Mechanical 1 "7" at 55.715,17.885 h1 r180; Mechanical 1 "9" at 56.604,16.107 h1 r180
X1: Mechanical 1 "1" at 53.518,3.226 h1